# Altium PCB Board.PcbDoc
Units mil, origin at the board's own origin, x right, y up, seen from the top; angles counter-clockwise.
Board outline 2289.49 x 1187.13 mil, 2 copper layers (Top Layer, Bottom Layer); 45 components, 36 nets, 248 pads, 94 vias.
Unrouted connection lines stored in the file: 27.
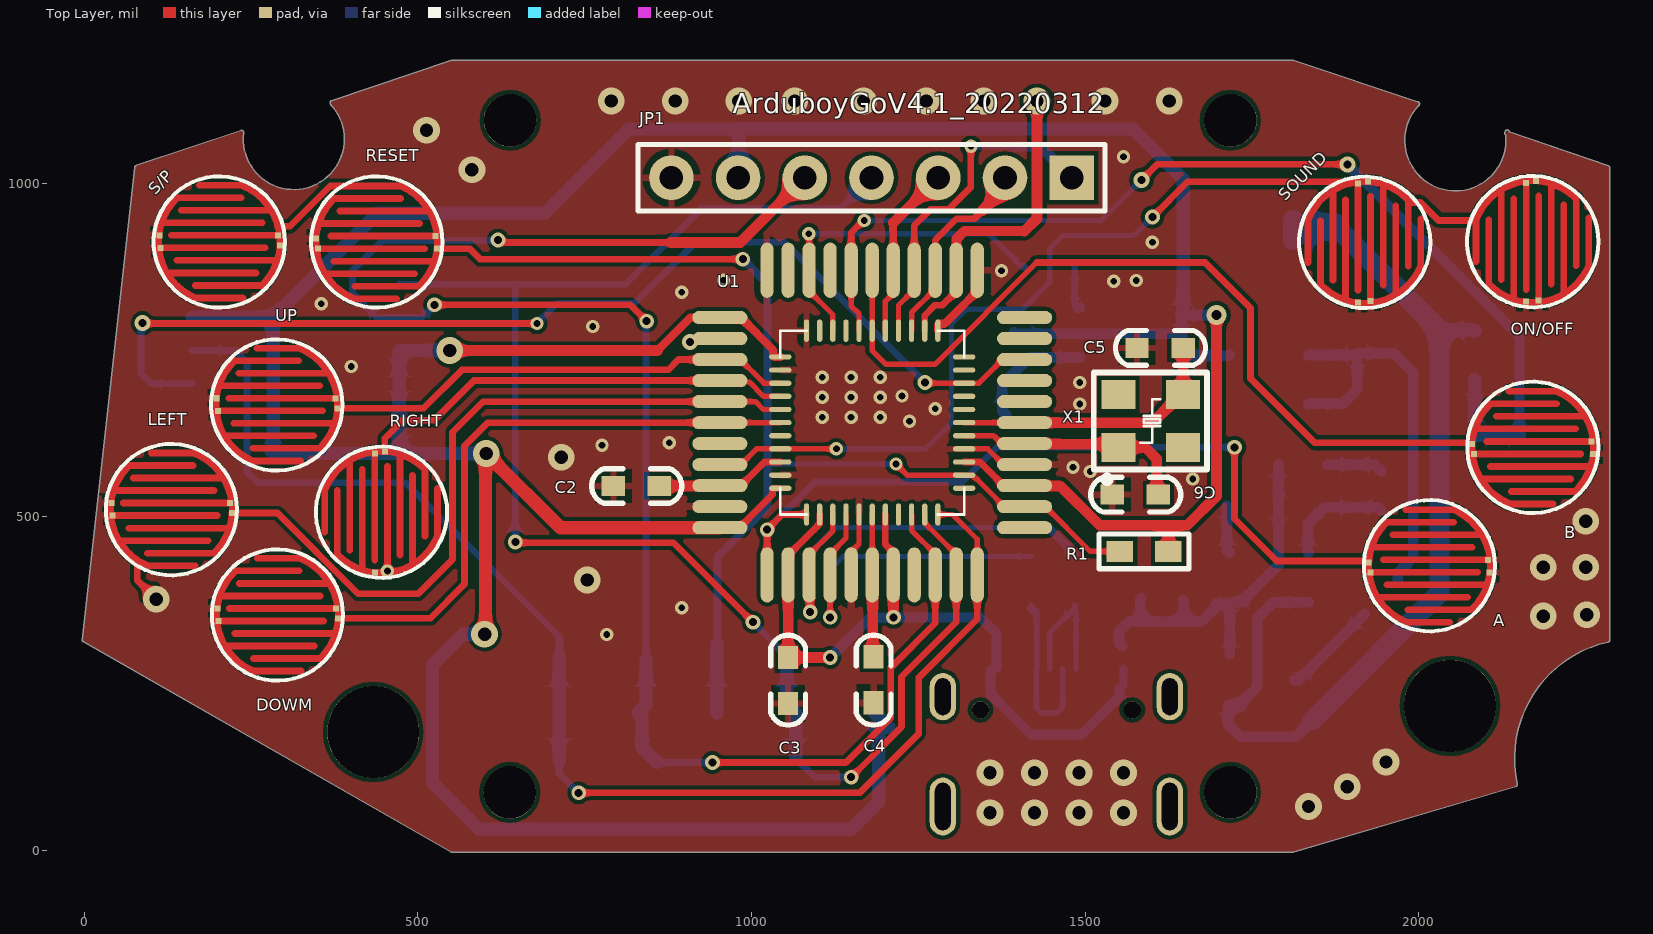
[diagram p0: Top Layer view]
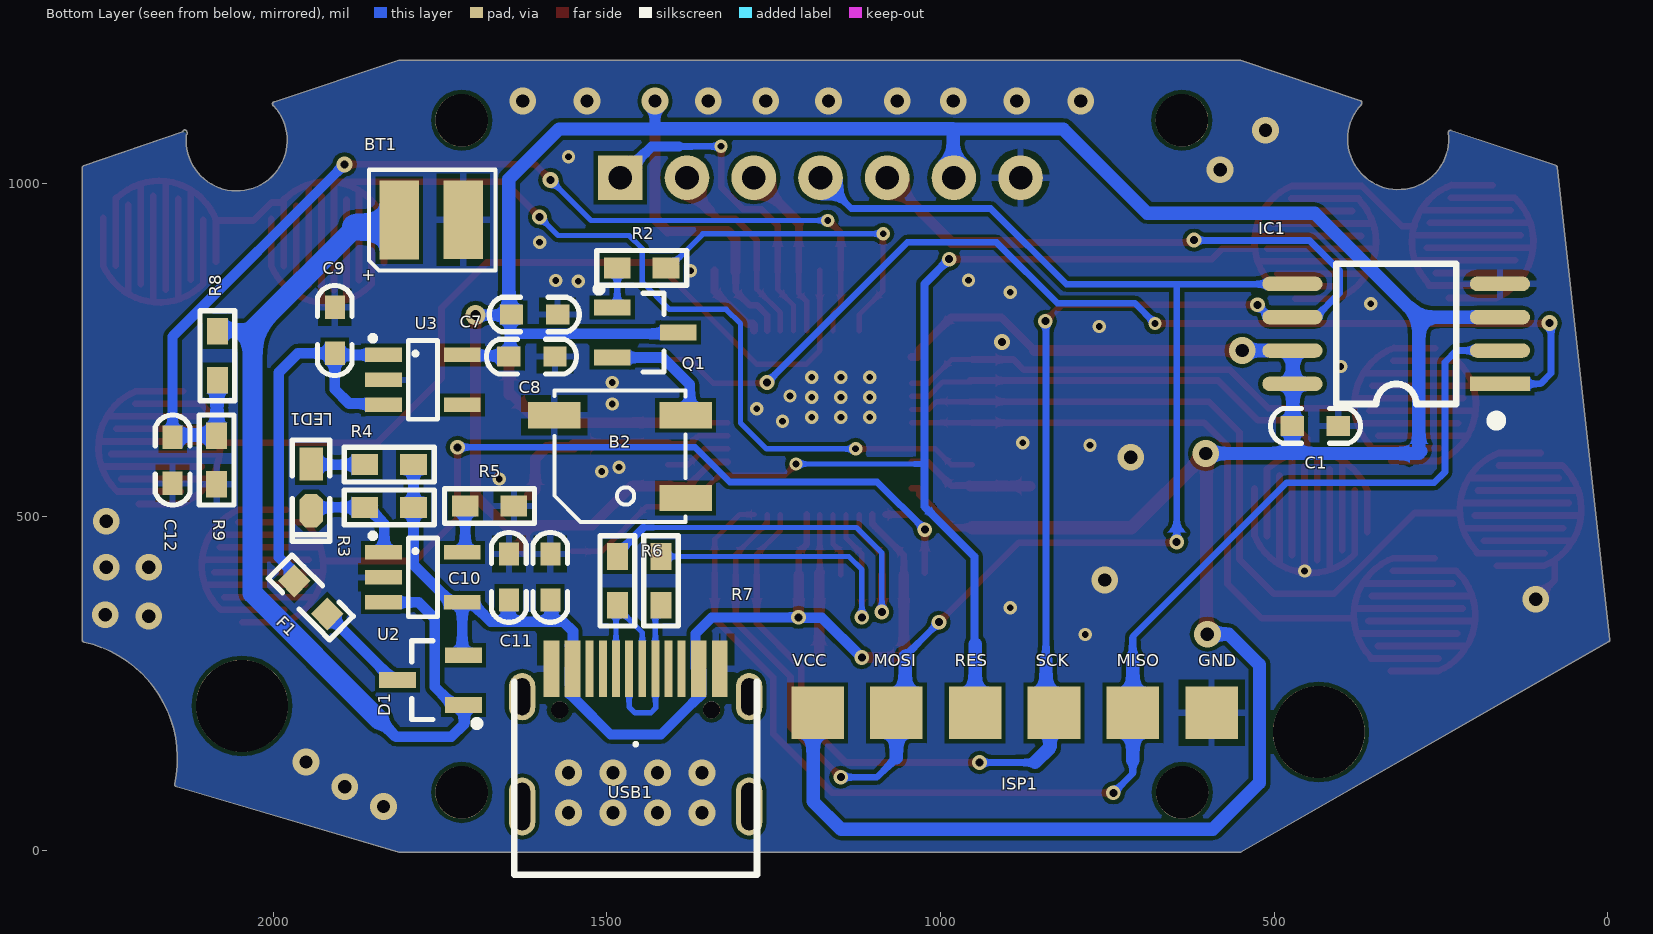
[diagram p1: Bottom Layer view, seen from below]

## Layer stack, top to bottom
Top Solder: solder mask 0.4, Solder Resist, Dk 3.5
Top Layer: signal copper 1.4
Dielectric 1: dielectric 12.6, FR-4, Dk 4.8
Bottom Layer: signal copper 1.4
Bottom Solder: solder mask 0.4, Solder Resist, Dk 3.5

## Board outline
-1.5,312.34 cw(c0,314.96) -3,315.29 75.74,1023.95 cw(c78.74,1023.62) 77.79,1026.48 234.78,1078.81 cw(c235.73,1075.95) 238.64,1076.73 cw(c235.85,1075.6) 238.86,1075.6 cw(c235.85,1075.6) 238.84,1075.24 ccw(c314,1066) 389.73,1066 ccw(c314,1066) 369.49,1117.53 cw(c371.7,1119.58) 368.72,1119.15 cw(c371.36,1120.61) 370.39,1123.46 550.21,1183.96 cw(c551.18,1181.1) 550.23,1183.96 550.22,1183.96 cw(c551.18,1181.1) 551.18,1184.12 1811.02,1184.12 cw(c1811.02,1181.1) 1811.99,1183.96 1998.02,1121.7 cw(c1998.37,1118.71) 2001.38,1118.71 cw(c1998.37,1118.71) 2001.18,1117.61 cw(c1998.28,1118.44) 1999.79,1115.83 ccw(c2055,1064) 2130.73,1064 ccw(c2055,1064) 2130.25,1072.47 cw(c2132.1,1074.85) 2129.7,1076.68 cw(c2132.72,1076.65) 2135.69,1077.13 cw(c2055,1064) 2135.75,1076.79 2284.43,1025.85 2284.44,1025.84 2284.43,1025.85 cw(c2283.46,1022.99) 2286.48,1022.99 2286.48,314.96 cw(c2283.46,314.96) 2284.09,312.01 cw(c2322.5,137.46) 2284.11,312.02 2284.09,312.01 ccw(c2322.5,137.46) 2147.94,99.1 ccw(c2322.5,137.46) 2147.94,99.07 2147.94,99.1 cw(c2145,98.43) 2148.01,98.43 cw(c2145,98.43) 2145.85,95.53 1811.89,-2.89 1811.88,-2.89 1811.89,-2.89 cw(c1811.02,0) 1811.02,-3.01 551.18,-3.01 cw(c551.18,0) 549.69,-2.62

## Design rules (kind name [scope] priority, off if disabled: settings)
Clearance [All] p1: gap=6 ignorepadtopadclearanceinfootprint=FALSE
ComponentClearance [All] p1: gap=0 collisioncheckmode=3 verticalgap=0 showdistances=FALSE
DiffPairsRouting [All] p1: maxlimit=10 minlimit=6 mostfreqgap=10 toplayer_minwidth=6 toplayer_maxwidth=30 toplayer_prefwidth=15 bottomlayer_minwidth=6 bottomlayer_maxwidth=30 bottomlayer_prefwidth=15 maxuncoupledlength=500
HoleSize [All] p1: absolutevalues=TRUE maxlimit=500 minlimit=1 maxpercent=80.000 minpercent=20.000
HoleToHoleClearance [All] p1: gap=2 allowstackedmicrovias=TRUE
MinimumSolderMaskSliver [All] p1: minsoldermaskwidth=2
NetAntennae [All] p1: netantennaetolerance=10
PlaneClearance [All] p1: clearance=6
PlaneConnect [All] p1: pad.planeconnectstyle=Relief pad.reliefexpansion=20 pad.reliefentries=4 pad.reliefconductorwidth=10 pad.reliefairgap=10 via.planeconnectstyle=Direct via.reliefexpansion=20 via.reliefentries=4 via.reliefconductorwidth=10 via.reliefairgap=10
PolygonConnect [All] p1: thpad.connectstyle=Relief thpad.reliefconductorwidth=10 thpad.reliefentries=4 thpad.polygonreliefangle="90 Angle" thpad.airgapwidth=10 smdpad.connectstyle=Relief smdpad.reliefconductorwidth=10 smdpad.reliefentries=4 smdpad.polygonreliefangle="90 Angle" smdpad.airgapwidth=10 via.connectstyle=Direct via.reliefconductorwidth=10 via.reliefentries=4 via.polygonreliefangle="90 Angle" via.airgapwidth=10
RoutingVias [All] p1: holewidth=12 width=22 viastyle="Through Hole" minholewidth=6 minwidth=20 maxholewidth=500 maxwidth=500
SilkToSilkClearance [All] p1: silktosilkclearance=0
SilkToSolderMaskClearance [IsPad] p1: minsilkscreentomaskgap=0 clearancetoexposedcopper=TRUE
SolderMaskExpansion [All] p1: expansion=4 istentingtop=FALSE
Width [All] p1: maxlimit=50 minlimit=6 preferedwidth=6
20 further rules are at their usual default settings.

## Components (designator, comment, footprint, x,y, rotation, side; value= is the part's Value field where it differs from the comment)
A "6x6" "TOUCH KEY 2" 2016.24,426.52 r180 top
B "6x6" "TOUCH KEY 2" 2171.2,603.94 r180 top
B2 "DC5V" "BEEP-SMD 5x5x2" 1382.15,689 r0 bottom
BT1 "Battery" "Li-Bettery SMD" 1754.36,945 r90 bottom
C1 "0.1uF" "C 0603" 438,636 r180 bottom
C2 "0.1uF" "C 0603" 828,546 r0 top
C3 "1uF" "C 0603" 1055.02,255 r90 top
C4 "1uF" "C 0603" 1183,255 r270 top
C5 "22pf" "C 0603" 1613,753 r0 top
C6 "22pf" "C 0603" 1576,533 r0 top
C7 "2.2uF" "C 0603" 1609,803 r0 bottom
C8 "0.1uF" "C 0603" 1613,740 r0 bottom
C9 "1uF" "C 0603" 1908,779 r270 bottom
C10 "10uF" "C 0603" 1647,409 r270 bottom
C11 "0.1uF" "C 0603" 1585,409 r270 bottom
C12 "0.1uF" "C 0603" 2151,584.96 r90 bottom
D1 "BAT54C" SOT23-3M 1715.06,255 r90 bottom
DOWM "6x6" "TOUCH KEY 2" 289.5,352.5 r0 top
F1 "MSMD200-8V 2A" "FU 0603" 1944,379 r45 bottom
IC1 "W25Qxx" SOP8W_N 317,774 r0 bottom
ISP1 "HDR-1X6" IPS 889,206 r180 bottom
JP1 "HDR-1X7" HDR-1X7 1480,1008 r180 top
LED1 "" "LED 0603B" 1943.74,544 r270 bottom
LEFT "6x6" "TOUCH KEY 2" 130.5,510.5 r0 top
ON/OFF "6x6" "TOUCH KEY 2" 2171.13,912.19 r90 top locked
Q1 "SS8050" SOT23-3M 1492,776 r270 bottom
R1 "10K" "R 0603" 1588.42,448 r0 top
R2 "3.3K" "R 0603" 1448,873 r0 bottom
R3 "10K" "R 0603" 1826.5,514 r0 bottom
R4 "3.3K" "R 0603" 1826.5,578 r180 bottom
R5 "1.5K" "R 0603" 1676,516 r180 bottom
R6 "22" "R 0603" 1484.5,403.75 r270 bottom
R7 "22" "R 0603" 1419,403.75 r270 bottom
R8 "100K" "R 0603" 2084,741.2 r270 bottom
R9 "100K" "R 0603" 2085,585 r270 bottom
RESET "6x6" "TOUCH KEY 2" 438.37,911.74 r180 top
RIGHT "6x6" "TOUCH KEY 2" 445.5,506.65 r90 top locked
S/P "6x6" "TOUCH KEY 2" 202.37,911.74 r0 top locked
SOUND "6x6" "TOUCH KEY 2" 1919.13,911.19 r90 top locked
U1 "Atmega32U4-Line-5v" LQFP-QFN 1181,641 r0 top
U2 "LTC4054" SOT23-5M 1776,409 r270 bottom
U3 "SPX3819" SOT23-5M 1776,705 r270 bottom
UP "6x6" "TOUCH KEY 2" 288.5,667.5 r0 top
USB1 "Type-C" "TYPE C 16P" 1457,159 r90 bottom locked
X1 "8M" XTAL-3225 1553,605.91 r90 top

## Footprints (in the part's own frame and the unit in brackets; to place one, negate y for a bottom-side part, rotate by r counter-clockwise, add the part's x,y. Pads: shape width x height; smd on the part's side, far side on the other; paste and mask are expansions set on the pad)
"BEEP-SMD 5x5x2" [mm] "贴片式蜂鸣器"
  rect 2x1 smd: 1(0,0.94) 2(5,0.94) 3(0,4.089)
  silkscreen extent 0,0 5,5
"C 0603" [mil] "无极性贴片电容"
  rect 35x30 smd: 1(-35,0) 2(34,0)
  silkscreen extent -67,-26 67,26, body extent -31,-16 31,16, height 32
"FU 0603" [mil] "贴片保险丝"
  rect 35x35 smd: 1(-35,0) 2(35,0)
  silkscreen extent -65,-25 65,25, body extent -31,-16 31,16, height 20
HDR-1X7 [mm] "排针，8脚"
  rect 1.7x1.7 hole 0.9: 1(0,0)
  round 1.7 hole 0.9: 2(2.54,0) 3(5.08,0) 4(7.62,0) 5(10.16,0) 6(12.7,0) 7(15.24,0)
  silkscreen extent -1.27,-1.27 16.51,1.27, body extent -1.27,-1.27 16.51,1.27, height 8.5
IPS [mm]
  rect 2x2 smd: 1(-7.5,0) 2(-4.5,0) 3(-1.5,0) 4(1.5,0) 5(4.5,0) 6(7.5,0)
"LED 0603B" [mil] "蓝色0603LED"
  rect 50x35 smd: 1(-35,0.26)
  oct 50x35 smd: 2(35,0.26)
  silkscreen extent -71,-28 81,28, body extent -31,-16 31,16, height 24
"Li-Bettery SMD" [mm] "锂电池焊接部分"
  rect 3x1.5 smd: 1(-0.013,1.448) 2(0,-0.991)
  silkscreen extent -1.93,-2.21 1.91,2.59
LQFP-QFN [mm] "Pin2Pin"
  oval 0.5x2.1 smd: 1(-4,-5.8) 2(-3.2,-5.8) 3(-2.4,-5.8) 4(-1.6,-5.8) 5(-0.8,-5.8) 6(0,-5.8) 7(0.8,-5.8) 8(1.6,-5.8) 9(2.4,-5.8) 10(3.2,-5.8) 11(4,-5.8) 23(4,5.8) 24(3.2,5.8) 25(2.4,5.8) 26(1.6,5.8) 27(0.8,5.8) 28(0,5.8) 29(-0.8,5.8) 30(-1.6,5.8) 31(-2.4,5.8) 32(-3.2,5.8) 33(-4,5.8)
  oval 0.2x0.85 smd: 1(-2.5,-3.5) 2(-2,-3.5) 3(-1.5,-3.5) 4(-1,-3.5) 5(-0.5,-3.5) 6(0,-3.5) 7(0.5,-3.5) 8(1,-3.5) 9(1.5,-3.5) 10(2,-3.5) 11(2.5,-3.5) 23(2.5,3.5) 24(2,3.5) 25(1.5,3.5) 26(1,3.5) 27(0.5,3.5) 28(0,3.5) 29(-0.5,3.5) 30(-1,3.5) 31(-1.5,3.5) 32(-2,3.5) 33(-2.5,3.5)
  oval 0.85x0.2 smd: 12(3.5,-2.5) 13(3.5,-2) 14(3.5,-1.5) 15(3.5,-1) 16(3.5,-0.5) 17(3.5,0) 18(3.5,0.5) 19(3.5,1) 20(3.5,1.5) 21(3.5,2) 22(3.5,2.5) 34(-3.5,2.5) 35(-3.5,2) 36(-3.5,1.5) 37(-3.5,1) 38(-3.5,0.5) 39(-3.5,0) 40(-3.5,-0.5) 41(-3.5,-1) 42(-3.5,-1.5) 43(-3.5,-2) 44(-3.5,-2.5)
  oval 2.1x0.5 smd: 12(5.8,-4) 13(5.8,-3.2) 14(5.8,-2.4) 15(5.8,-1.6) 16(5.8,-0.8) 17(5.8,0) 18(5.8,0.8) 19(5.8,1.6) 20(5.8,2.4) 21(5.8,3.2) 22(5.8,4) 34(-5.8,4) 35(-5.8,3.2) 36(-5.8,2.4) 37(-5.8,1.6) 38(-5.8,0.8) 39(-5.8,0) 40(-5.8,-0.8) 41(-5.8,-1.6) 42(-5.8,-2.4) 43(-5.8,-3.2) 44(-5.8,-4)
  silkscreen extent -3.5,-3.5 3.5,3.5
"R 0603" [mil] "1/10W贴片电阻"
  rect 40x31.5 smd: 1(-36.5,0) 2(36.5,0)
  silkscreen extent -68,-26 68,26, body extent -31,-16 31,16, height 16
SOP8W_N [mm] "5.3*8.3*1.8mm（长宽高）"
  rect 2.3x0.55 smd: 1(-3.95,1.905)
  oval 2.3x0.55 smd: 2(-3.95,0.635) 3(-3.95,-0.635) 4(-3.95,-1.905) 5(3.95,-1.905) 6(3.95,-0.635) 7(3.95,0.635) 8(3.95,1.905)
  silkscreen extent -3.94,-2.67 2.29,3.43, body extent -3.94,-2.64 3.94,2.64, height 1.9
SOT23-3M [mm] "3x1.3x1mm(长宽高)"
  rect 0.6x1.4 smd: 1(-0.95,0) 2(0.95,0) 3(0,2.514)
  silkscreen extent -1.78,-0.63 1.5,1.97, body extent -1.5,0.07 1.5,2.47, height 1.05
SOT23-5M [mm] "3x1.6x1.1mm(长宽高)"
  rect 0.55x1.4 smd: 1(-0.95,-1.5) 2(0,-1.5) 3(0.95,-1.5) 4(0.95,1.5) 5(-0.95,1.5)
  silkscreen extent -1.66,-1.98 1.5,0.56, body extent -1.5,-1.4 1.5,1.4, height 1.15
"TOUCH KEY 2" [mil] "橡胶按键导电板"
  rect 9x9 smd mask+4: 1(88,9.92) 1(91,-5) 2(-90,10) 2(-88,-8.85)
  Top Layer lines w10: 88,9.92 -72,9.92 ; 84,-27.62 -64,-27.62 ; 76,47.46 -57,47.46 ; 69,-8.85 -88,-8.85 ; 65.41,-65.17 -36,-65.17 ; 65.41,-63.4 ccw(c0,0) 31.77,85.37 ; 64,28.69 -85,28.69 ; 55,-46.39 -76,-46.39 ; 35.61,-83.94 -35.39,-83.94 cw(c0,0) -63.91,64.91 -62.59,66.23 32.5,66.23 ; 31.77,85 -30.15,85
  silkscreen extent -98,-98 98,98
"TYPE C 16P" [mm]
  oval 2.2x1 hole 0.6 slot 1.8 at 0 deg: 0(-2.373,-4.32) 0(-2.373,4.32)
  oval 1.8x1 hole 0.6 slot 1.4 at 0 deg: 0(1.807,-4.32) 0(1.807,4.32)
  rect 2.15x0.3 smd: A1(2.873,3.35) A4(2.873,2.55) A5(2.873,1.25) A6(2.873,0.249) A7(2.873,-0.25) A8(2.873,-1.25) A9(2.873,-2.55) A12(2.873,-3.35) B1(2.873,-3.051) B4(2.873,-2.25) B5(2.873,-1.75) B6(2.873,-0.749) B7(2.873,0.749) B8(2.873,1.75) B9(2.873,2.25) B12(2.873,3.051)
  round 0.65 hole 0.65 unplated: ""(1.307,-2.89) ""(1.307,2.89)
  silkscreen extent -4.97,-4.62 2.37,4.62, body extent -4.97,-4.62 2.37,4.62, height 3.16
XTAL-3225 [mil]
  rect 43.31x51.18 smd: 1(-2,3) 2(-2,-94) 3(77,-94) 4(77,3)
  silkscreen extent -55,-130 110,40, body extent -13,-108 85,18, height 31

## Part data
A B DOWM LEFT ON/OFF RESET RIGHT S/P SOUND UP: library part "SW SMD-2", "Arduboy 用"
B2: library part BEEP, "蜂鸣器", BOM名称=蜂鸣器, 学习资源=https://lmdzstyle.taobao.com/, 版权归属=黎明电子style
BT1: "锂电池"
C1 C2 C3 C4 C5 C6 C7 C8 C9 C10 C11 C12: library part C, "无极性贴片电容", BOM名称=无极性贴片电容, 学习资源=https://lmdzstyle.taobao.com/, 版权归属=黎明电子style
  C4 C9: BOM名称=贴片电阻
D1: "双肖基特二极管", BOM名称=无极性贴片电容, 学习资源=https://lmdzstyle.taobao.com/, 版权归属=黎明电子style
F1: library part FU, "贴片保险丝", BOM名称=贴片保险丝, 学习资源=https://lmdzstyle.taobao.com/, 版权归属=黎明电子style
IC1: "外置Flash", BOM名称=外置Flash, 学习资源=https://lmdzstyle.taobao.com/, 版权归属=黎明电子style
ISP1: library part "Header 6", "6P接插件", BOM名称=6P接插件, 学习资源=https://lmdzstyle.taobao.com/, 版权归属=黎明电子style
JP1: library part "Header 7", "7P接插件", BOM名称=7P接插件, 学习资源=https://lmdzstyle.taobao.com/, 版权归属=黎明电子style
LED1: library part LED-SMD, "贴片LED", BOM名称=贴片LED, 学习资源=https://lmdzstyle.taobao.com/, 版权归属=黎明电子style
Q1: library part 8050-SMD, "高频放大-NPN型", BOM名称=高频放大-NPN型, 学习资源=https://lmdzstyle.taobao.com/, 属性="40V 1.5A 1W 100MHZ", 版权归属=黎明电子style
R1 R2 R3 R4 R5 R6 R7 R8 R9: library part R, "贴片电阻", BOM名称=贴片电阻, 学习资源=https://lmdzstyle.taobao.com/, 版权归属=黎明电子style
  R3 R6: BOM名称=无极性贴片电容
U2: "充电管理"
U3: "3.3V LDO 稳压"
USB1: library part "Type-C Socket", "USB 3.1  单排16PIN四脚插板(L=7.35) 一体式MD", ComponentLink1Description="USB 3.1 C TYPE单排16PIN四脚插板(L=7.35) 一体式MD", ComponentLink1URL=https://item.szlcsc.com/293008.html
X1: library part XTAL-4, "4脚晶振", BOM名称=4脚晶振, 学习资源=https://lmdzstyle.taobao.com/, 版权归属=黎明电子style

## Free pads (board coordinates)
  round 137.8 hole 137.8: 3(433.07,177.17) 3(2047.24,216.54)
  round 78.74 hole 78.74: 3(637.8,86.61) 3(638.19,1094) 3(1717.87,86.61) 3(1717.87,1094)

## Via types
v1: diameter 20, hole 10, Top Layer to Bottom Layer, tented both sides, 38 vias
v2: diameter 40, hole 20, Top Layer to Bottom Layer, tented both sides, 34 vias
v3: diameter 22, hole 12, Top Layer to Bottom Layer, tented both sides, 17 vias
v4: diameter 24, hole 12, Top Layer to Bottom Layer, tented both sides, 4 vias
v5: diameter 30, hole 15, Top Layer to Bottom Layer, tented both sides, 1 vias

## Nets (pads, with @x,y where several pads share a name; then routed paths per layer and width w, separated by ;. In a path a pad name is that pad's centre, name@x,y a point inside that pad or via, vN(x,y) a via of type N, cw(c..) or ccw(c..) an arc to the next point about the centre after c; other vN are vias at no path point)
3.3V: C1.1 C7.2 C8.2 IC1.3 IC1.7 IC1.8 ISP1.1 JP1.6 Q1.3 R1.2 U1.14 U1.24 U1.34 U1.44 U3.5 | length 6837.3
  Top Layer w10: U1.44@952.65,483.52 982.13,483.52 1031.65,533.05 1031.65,541.51 1032.72,542.57 U1.44@1043.2,542.57 ; U1.24@1259.74,778.8 1259.74,801.72 1275.03,817.01 1286.14,817.01 1306.98,837.85 U1.24@1306.98,869.35 ; U1.14@1318.8,581.94 1342.42,581.94 1377.85,546.51 U1.14@1409.35,546.51
  Top Layer w12: 859.19,749 908.66,798.48 U1.34@956,798.48 ; U1.34@952.65,798.48 984.15,798.48 1032.47,750.16 1032.47,741.49 1034.54,739.43 U1.34@1043.2,739.43
  Top Layer w15: U1.24@1306.98,867 1306.98,915.98 1319,928 1409,928
  Top Layer w16: v2(548,749) 859.19,749 ; U1.14@1406,546.51 1406.7,545.81 1463.19,545.81 1522,487 1624.92,487 ; 1409,928 1428,947 v2@1428,1118 ; R1.2 1624.92,487 ; v5(1697,802) 1697,531 1653,487 1624.92,487
  Top Layer w20: v2(600,324) 601.32,325.32 601.32,593.32 v2(602.64,594.64) ; v2@608,589.28 713.76,483.52 U1.44@952.65,483.52
  Bottom Layer w16: Q1.3 1395.02,774 1643,774 1645,772 ; 1428,1081 v2@1428,1118 ; C7.2 C7.2@1645,801 ; v5(1697,802) 1646,802 C7.2@1645,801 ; U3.5 1715.74,741.2 1648.2,741.2 C8.2 1645,742 1645,772 ; 1645,772 C7.2@1645,801
  Bottom Layer w20: IC1.3 283,799 ; C1.1@468,636 C1.1@469,635 ; C1.1@471,636 C1.1@472,637 ; C1.1@472,638 472,748.49 IC1.7 v2(548,749) ; C1.1 473,594.64 ; v2(600,324) 568,324 522,278 522,101 591.76,31.24 1149.24,31.24 1191,73 1191,177.42 1184.15,184.28 1206,184.28 ISP1.1 ; v2(602.64,594.64) 473,594.64 ; JP1.6 981,1009 981,1072 ; C7.2@1647,807 1647,1006 1572,1081 1428,1081 1427.54,1081.46 981.46,1081.46 981,1081 816,1081 690,955 439,955 283,799 ; 283,799 283,601 280,598 283.36,594.64 473,594.64
  other v2: 1428,1123
BEEP: R2.1 U1.31 | length 512.1
  Top Layer w8: v1@1086.27,924 1086.27,869.59 1086.51,869.35 1086.51,838.32 1121.88,802.95 1121.88,778.86 U1.31@1121.94,778.8
  Bottom Layer w8: v1(1086.02,924) 1356.25,924 1407.25,873 R2.1 R2.1@1407.57,876.93
GND: A.2 B2.2 B.2 BT1.2 C1.2 C2.1 C3.1 C4.2 C5.1 C6.1 C7.1 C8.1 C9.1 C10.1 C11.1 C12.1 DOWM.2 IC1.4 ISP1.6 JP1.7 LEFT.2 ON/OFF.2 R5.2 R9.2 RESET.1 RIGHT.2 S/P.2 SOUND.2 U1.5 U1.15 U1.23 U1.33 U1.35 U1.43 U2.2 U3.2 UP.2 USB1.A1 USB1.A12 USB1.B1 USB1.B12 | length 386.7
  Top Layer w8: U1.5@1149.5,412.65 1149.5,447.31 1161.32,459.12 U1.5@1161.32,503.2 ; U1.15@1318.8,601.63 1354.23,601.63 1377.85,578.01 U1.15@1409.35,578.01
  Top Layer w10: 79.17,435.25 79.17,405.17 v2(108,376.34)
  Top Layer w12: U1.23@1279.43,778.8 1279.43,787.46 1281.49,789.53 1290.16,789.53 1300.64,800.01 1338.48,837.85 U1.23@1338.48,869.35
  other v1: 783.33,323.32 895.65,363.37 454.36,418.65 1661.27,556.49 1507.86,567.7 1482,574.17 776,607 877,611 1236.82,643.05 1106,649 1149.33,649 1193,649 1275.26,661.84 1491.86,669 1106,679 1149.33,679 1193,679 1225.72,680.92 1491.86,701 1106,709 1149.33,709 1193,709 400,725 762,785 355.37,819 895.52,836.21 1543,853 958.05,854.19 1577,854 1374.69,868.67 1601,911.19 1557.67,1039.69
  other v2: 1357.67,56 1424.33,56 1491,56 1557.67,56 1835,65.59 1893,95 1357.67,116 1424.33,116 1491,116 1557.67,116 1951,132.38 2187,351 2252,353 754,405 2187,424 2250.41,424 2250.41,493.36 715,589 581,1020 513,1079 790,1123 886,1123 981,1123 1065,1123 1168,1123 1262,1123 1348,1123 1530,1123 1626,1123
  other v4: 908,761.63
KEY_A: A.1 U1.1 | length 1219.3
  Top Layer w10: U1.1@1023.52,416 v3(1023.52,480.52) 1046.2,503.2 U1.1@1082.57,503.2 ; v3(1724.01,604.01) 1724.01,496.99 1787.33,433.67 A.1@1925.42,433.67
  Bottom Layer w10: v3(1023.52,480.52) 1095,552 1316,552 1368.01,604.01 v3(1724.01,604.01)
KEY_B: B.1 U1.28 | length 1265.3
  Top Layer w8: U1.28@1181,869.35 1181,778.8 1181,749.09 1201.77,728.31 1274.86,728.31 1427.55,881
  Top Layer w10: 1427.55,881 1680,881 1748,813 1748,707 1844,611 B.1@2080.24,611
KEY_DOWM: DOWM.1 U1.39 | length 905.4
  Top Layer w8: U1.39@952.65,641 U1.39@1043.2,641
  Top Layer w10: DOWM.1@380.5,347.5 518.5,347.5 570,399 570,605.84 605.16,641 U1.39@952.65,641
KEY_LEFT: LEFT.1 U1.38 | length 1111.1
  Top Layer w8: U1.38@952.65,672.5 1005.99,672.5 1017.74,660.75 1043.14,660.75 U1.38@1043.2,660.69
  Top Layer w10: LEFT.1@221.5,505.5 289.5,505.5 410.73,384.27 500.27,384.27 552,436 552,626.5 597.99,672.5 U1.38@956,672.5
KEY_RIGHT: RIGHT.1 U1.37 | length 661.5
  Top Layer w8: U1.37@952.65,703.99 954.86,701.79 996.83,701.79 1018.18,680.43 1043.14,680.43 U1.37@1043.2,680.37
  Top Layer w10: RIGHT.1@450.5,597.65 450.5,617.5 477.75,644.75 524.75,644.75 583.99,703.99 U1.37@956,703.99
KEY_S/P: ON/OFF.1 SOUND.1 U1.41 | length 1365.2
  Top Layer w8: U1.41@952.65,578.01 984.15,578.01 1007.77,601.63 1043.2,601.63 v1(1127.35,601.63)
  Top Layer w10: v3(1601,949.19) 1654,1002.19 1915,1002.19 ; SOUND.1@1923.25,1002.19 SOUND.1@1924.13,1002.19 ; 1987.7,970.96 2002.87,970.96 2029.88,943.96 2085.75,943.96 2086.13,943.96
  Bottom Layer w8: v1(1127.35,601.63) 1260.93,601.63 1299.9,640.6 1299.9,789.25 1321.42,810.77 1406.48,810.77 1447.15,851.44 1447.15,901.91 1466.8,921.56 1573.37,921.56 v3(1601,949.19)
KEY_UP: U1.36 UP.1 | length 708.6
  Top Layer w8: U1.36@952.65,735.49 983.16,735.49 1018.53,700.12 1043.14,700.12 U1.36@1043.2,700.06
  Top Layer w10: UP.1@379.5,662.5 508.5,662.5 565.99,719.99 875.36,719.99 890.85,735.49 U1.36@952.65,735.49
LI_BATTY: C12.2 R8.2 R9.1 U1.29 | length 1600.6
  Top Layer w8: U1.29@1149.5,869.35 1149.5,816.01 1161.25,804.26 1161.25,778.86 U1.29@1161.32,778.8
  Top Layer w10: U1.29@1149.5,869.35 1149.5,925.69 1167.82,944 v1(1169.23,944) ; v4(1584.5,1004.5) 1608,1028 v4(1893.29,1028)
  Bottom Layer w8: v1(1169.23,944) 1524,944 v4(1584.5,1004.5)
  Bottom Layer w15: v4(1893.29,1028) 2151,770.29 C12.2@2151,623
  Bottom Layer w20: R8.2@2083.5,705.2 R8.2 2084.5,704.2 2084.5,622 R9.1 2085.75,622.25 2150.25,622.25 C12.2@2151,623
MISO: IC1.2 ISP1.5 U1.11 | length 2022.5
  Top Layer w8: U1.11@1279.43,503.2 1301.4,503.2 1338.48,466.12 U1.11@1338.48,412.65
  Top Layer w10: v3(741,86) 1162,86 1251,175 1251,259 1338.48,346.48 U1.11@1338.48,416
  Bottom Layer w10: IC1.2 226.45,749 244,731.46 244,567 260,551 481,551 711.83,320.17 711.83,290.37 ; 711.83,134.8 711.83,115.17 v3(741,86)
  Bottom Layer w20: 711.83,134.8 ISP1.5 711.83,290.37
MOSI: IC1.5 ISP1.2 JP1.4 U1.10 | length 2372.2
  Top Layer w8: U1.10@1259.74,503.2 1259.74,490.38 1306.98,443.14 U1.10@1306.98,412.65
  Top Layer w10: v3@646,461 882.98,461 v3@1002,341.98 ; v3(1149.5,109.5) 1225,185 1225,260 1306.98,341.98 U1.10@1306.98,412.65
  Bottom Layer w10: IC1.5@470.74,847.24 IC1.5 473.01,848.51 647,848.51 ; v3(646,462) 646,847.51 647,848.51 ; v3@1002,341.98 1053,290.98 ; 1066.17,138.83 1095.5,109.5 v3(1149.5,109.5) ; JP1.4 1133.84,961.84 924.92,961.84 811.59,848.51 647,848.51
  Bottom Layer w20: 1053,290.98 1053,219.17 ISP1.2 1066.17,138.83
  other v3: 1002.45,341.85
NetB2_1: B2.1 Q1.2 | length 181.4
  Bottom Layer w16: B2.1 1376,658.15 1376,698 1416.6,738.6 Q1.2
NetBT1_1: BT1.1 D1.1 R8.1 U2.3 | length 1476.7
  Bottom Layer w16: D1.1 D1.1@1728.19,217.59 ; U2.3 1782.6,371.6 1758.31,347.31 1758.31,245.1 1730.8,217.59 D1.1@1728.19,217.59 ; 1841,195 1816,170 1733.37,170 1714,189.37 1714,213.78 1732,213.78 D1.1@1728.19,217.59
  Bottom Layer w20: 2031,780 2081.7,780 R8.1 R8.1@2085,778.7
  Bottom Layer w30: BT1.1 1811.36,914.97 BT1.1@1830.39,934 ; 1841,195 2031,385 2031,780 1877,934
  Bottom Layer w40: BT1.1@1830.39,934 1877,934
NetC2_2: C2.2 U1.42 | length 195.7
  Top Layer w10: U1.42@952.65,546.51 984.15,546.51 1019.58,581.94 U1.42@1043.2,581.94
  Top Layer w16: C2.2@865.81,545.81 955.3,545.81 U1.42@956,546.51
NetC4_1: C4.1 U1.6 | length 217.4
  Top Layer w8: U1.6@1181,412.65 1181,416 U1.6@1181,503.2
  Top Layer w16: U1.6@1181,416 1181.7,415.3 1181.7,291.3 C4.1
NetC5_2: C5.2 U1.17 X1.3 | length 419.9
  Top Layer w8: U1.17@1318.8,641 U1.17@1409.35,641
  Top Layer w16: U1.17@1406,641 1601.06,641 1645.06,685 X1.3@1647,685 ; X1.3 X1.3@1647,685 ; C5.2 X1.3@1647,685
NetC6_2: C6.2 U1.16 X1.1 | length 362.8
  Top Layer w8: U1.16@1318.8,621.31 1362.88,621.31 1374.69,609.5 U1.16@1409.35,609.5
  Top Layer w16: U1.16@1409.35,608.8 1549.2,608.8 X1.1@1552,606 ; X1.1 1590.09,603.91 1607.41,586.59 1607.41,540 1615.41,532 C6.2@1616.5,532
NetC9_2: C9.2 F1.2 U3.1 U3.3 | length 626.1
  Bottom Layer w16: U3.3 1837.07,669.61 1886.61,669.61 1908,691 C9.2@1908,742.5 ; U3.1 1905.4,742.4 C9.2 1963,745 1992,716 1992,439.19 1968.75,415.94 F1.2
NetD1_3: D1.3 F1.1 | length 146.3
  Bottom Layer w16: D1.3 1820,255 F1.1
NetLED1_1: LED1.1 R4.1 | length 85.2
  Bottom Layer w16: R4.1 1934.24,578 1943.74,568.5 LED1.1@1943.74,568
NetLED1_2: LED1.2 R3.2 U2.1 | length 165.1
  Bottom Layer w16: U2.1 1834,447.46 1834,489.25 1858.75,514 R3.2 1938.48,514 LED1.2
NetQ1_1: Q1.1 R2.2 | length 64.3
  Bottom Layer w10: R2.2 1484.5,818.21 Q1.1@1489.31,813.4
  Bottom Layer w16: Q1.1@1489.31,813.4 Q1.1
NetR5_1: R5.1 U2.5 | length 72.4
  Bottom Layer w16: R5.1 1712.5,449.23 1715.33,446.4 U2.5
NetR6_2: R6.2 USB1.A7 USB1.B7 | length 201.9
  Bottom Layer w8: USB1.A7 1447.15,326.42 1471.98,351.25 1472.75,351.25 1484.5,363 R6.2 ; R6.2@1484.5,362.06 1486.5,360.06 USB1.B7
NetR7_2: R7.2 USB1.A6 USB1.B6 | length 273
  Bottom Layer w8: R7.2 1427.5,358.75 USB1.B6 1427.13,271.72 1427.13,213.27 1434.4,206 1457.8,206 1466.8,215 USB1.A6
  Bottom Layer w12: R7.2@1419,362.06 R7.2@1427.41,353.65
OLED_CS: JP1.1 U1.26 | length 512.7
  Top Layer w8: U1.26@1220.37,778.8 1220.43,778.86 1220.43,816.96 1243.99,840.51 U1.26@1243.99,869.35
  Top Layer w10: U1.26@1243.99,867 1243.99,936.22 1268.4,960.63 1295.51,960.63 1328.94,994.06 1328.94,1054.94 v1(1329,1055) ; JP1.1 JP1.1@1482,1010
  Bottom Layer w10: v1(1329,1055) 1392,1055
  Bottom Layer w15: 1392,1055 1433,1055 JP1.1
OLED_D/C: JP1.2 U1.25 | length 302.8
  Top Layer w8: U1.25@1240.06,778.8 1240.12,778.86 1240.12,805.9 1269.83,835.61 1270.09,835.61 1275.49,841.01 U1.25@1275.49,869.35
  Top Layer w10: U1.25@1275.49,869.35 1275.49,914.49 1307.5,946.5 1333.9,946.5 1346.4,959 ; JP1.2@1380,992.6 JP1.2
  Top Layer w16: 1346.4,959 JP1.2@1380,992.6
OLED_RES: JP1.3 U1.27 | length 264.4
  Top Layer w8: U1.27@1200.69,778.8 1200.69,822.88 1212.5,834.69 U1.27@1212.5,869.35
  Top Layer w10: U1.27@1212.5,867 1212.5,940.5
  Top Layer w16: 1212.5,940.5 JP1.3
RESET: ISP1.3 R1.1 RESET.2 S/P.1 U1.13 | length 1911.8
  Top Layer w8: v1(1216.62,579) 1233.36,562.26 1318.8,562.26 1318.86,562.2 1331.68,562.2 1378.86,515.02 1409.35,515.02 1440.84,515.02 1507.86,448 R1.1
  Top Layer w10: 289.37,935.31 308.31,935.31 368.68,995.68 402.76,995.68 ; RESET.2@528.37,901.74 577.5,901.74 593.24,886 985.46,886 986.23,886.77 v3(987,886)
  Bottom Layer w8: 1024.05,579 v1(1216.62,579)
  Bottom Layer w12: 949,310 949,439.97 1024.05,515.02 1024.05,579 1024.05,848.95 v3(987,886)
  Bottom Layer w20: ISP1.3 948.06,309.06
RX: IC1.1 U1.20 | length 1634
  Top Layer w8: v3(1260.1,701) 1260.98,700.12 1318.73,700.12 1318.8,700.06 1318.86,700.12 1340.81,700.12 1376.18,735.49 U1.20@1409.35,735.49
  Top Layer w10: v4(87,790) 87.48,789.52 v1(678.48,789.52)
  Bottom Layer w10: v4(87,790) 85,788 85,715 101,699 IC1.1 ; v1(678.48,789.52) 708.96,820 825.04,820 916.23,911.2 1049.9,911.2 v3(1260.1,701)
SCK: IC1.6 ISP1.4 JP1.5 U1.9 | length 2652.1
  Top Layer w8: U1.9@1240.06,503.2 1240.06,479.58 1275.49,444.15 U1.9@1275.49,412.65
  Top Layer w10: v3(525,817.49) 818.51,817.49 v3(843,793) ; v3(620,914.59) 623.59,911 879,911 ; v3(941.5,131.5) 1141.56,131.5 1209,198.94 1209,274 1275.49,340.49 U1.9@1275.49,412.65
  Top Layer w16: 879,911 983,911 JP1.5
  Bottom Layer w10: v3@525.08,817.49 v3(525,817.49) 506.51,799 IC1.6 438.06,799 402,835.07 402,869 447,914 619.41,914 v3(620,914.59) v3@620,912.49 ; 842,286 842,792 v3(843,793) ; 858.5,131.5 v3(941.5,131.5)
  Bottom Layer w20: 842,286 842,218.06 ISP1.4 836,199.94 836,154 858.5,131.5
USB_D+: R7.1 U1.4 | length 544.7
  Top Layer w8: v3(1118.01,349.01) 1118.01,412.65 1118.01,444.15 1141.63,467.77 U1.4@1141.63,503.2
  Bottom Layer w8: v3(1118.01,349.01) 1118.01,420.66 1137.59,440.25 R7.1
USB_D-: R6.1 U1.3 | length 682.3
  Top Layer w8: U1.3@1086.51,412.65 1086.51,442.99 1121.94,478.42 U1.3@1121.94,503.2
  Top Layer w12: v3(1087.98,357.02) U1.3@1087.98,412.65
  Bottom Layer w8: v3(1087.98,357.02) 1087.98,445.78 1125.92,483.71 1445.29,483.71
  Bottom Layer w12: 1445.29,483.71 1484.5,444.5 R6.1
VBUS: C3.2 C10.2 C11.2 D1.2 R3.1 R4.2 U1.2 U1.7 U2.4 USB1.A4 USB1.A9 USB1.B4 USB1.B9 | length 1722.9
  Top Layer w10: U1.2@1055.02,412.65 1055.02,442.13 1077.88,464.99 1078.28,464.99 1102.26,488.97 U1.2@1102.26,503.2 ; U1.7@1200.69,503.2 1200.69,458.58 1212.5,446.77 U1.7@1212.5,412.65
  Top Layer w16: U1.2@1055.02,412.65 C3.2 1117.9,289 v3@1118.01,289.11 ; U1.7@1212.75,412.65 1212.75,349.25 v3(1212.87,349.13) v3@1213,349
  Bottom Layer w12: USB1.A4@1552,242 1557.4,247.4 USB1.A4 ; U2.4@1703.15,371.6 U2.4 ; D1.2 D1.2@1716.94,294.29
  Bottom Layer w15: v3@1213,349 1343,349 1367,325 USB1.B4@1367,273.49 ; USB1.A9@1358.19,270.5 1358.19,234.27 1419,173.47 1494.59,173.47 1545.31,224.18 ; 1541.01,219.88 1545.31,224.18 ; USB1.A4@1552,242 1552,230.87 1545.31,224.18 ; C11.2@1583,376 C11.2@1585,378 ; C10.2 C10.2@1648,374
  Bottom Layer w16: v3(1118.03,288.87) 1177.87,348.72 1212.47,348.72 v3(1212.87,349.13) ; USB1.A4@1555.31,306.42 1551,310.72 1551,328.42 1565.31,342.72 1583,342.72 ; C11.2@1583,376 1583,342.72 ; C10.2@1648,374 1648,342.72 ; U2.4@1703.15,371.6 1674.28,342.72 1648,342.72 ; D1.2@1716.94,294.29 U2.4 1733.68,371.6 1790,427.92 R3.1 R4.2 ; 1583,342.72 1648,342.72
pads on no net: B2.3 U1.8 U1.12 U1.18 U1.19 U1.21 U1.22 U1.30 U1.32 U1.40 U3.4 USB1. USB1.0 USB1.A5 USB1.A8 USB1.B5 USB1.B8 X1.2 X1.4

## Polygon pours and split planes (outlines as drawn)
GND on Bottom Layer "Bottom Layer-GND" (solid, pour order 30): -1.5,312.34 cw(c0,314.96) -3,315.29 75.74,1023.95 cw(c78.74,1023.62) 77.79,1026.48 234.78,1078.81 cw(c235.73,1075.95) 238.64,1076.73 cw(c235.85,1075.6) 238.86,1075.6 cw(c235.85,1075.6) 238.84,1075.24 ccw(c314,1066) 389.73,1066 ccw(c314,1066) 369.49,1117.53 cw(c371.7,1119.58) 368.72,1119.15 cw(c371.36,1120.61) 370.39,1123.46 550.21,1183.96 cw(c551.18,1181.1) 550.23,1183.96 550.22,1183.96 cw(c551.18,1181.1) 551.18,1184.12 1811.02,1184.12 cw(c1811.02,1181.1) 1811.99,1183.96 1998.02,1121.7 cw(c1998.37,1118.71) 2001.38,1118.71 cw(c1998.37,1118.71) 2001.18,1117.61 cw(c1998.28,1118.44) 1999.79,1115.83 ccw(c2055,1064) 2130.73,1064 ccw(c2055,1064) 2130.25,1072.47 cw(c2132.1,1074.85) 2129.7,1076.68 cw(c2132.72,1076.65) 2135.69,1077.13 cw(c2055,1064) 2135.75,1076.79 2284.43,1025.85 2284.44,1025.84 2284.43,1025.85 cw(c2283.46,1022.99) 2286.48,1022.99 2286.48,314.96 cw(c2283.46,314.96) 2284.09,312.01 cw(c2322.5,137.46) 2284.11,312.02 2284.09,312.01 ccw(c2322.5,137.46) 2147.94,99.1 ccw(c2322.5,137.46) 2147.94,99.07 2147.94,99.1 cw(c2145,98.43) 2148.01,98.43 cw(c2145,98.43) 2145.85,95.53 1811.89,-2.89 1811.88,-2.89 1811.89,-2.89 cw(c1811.02,0) 1811.02,-3.01 551.18,-3.01 cw(c551.18,0) 549.69,-2.62
GND on Top Layer "SS" (solid, pour order 28): -1.5,312.34 cw(c0,314.96) -3,315.29 75.74,1023.95 cw(c78.74,1023.62) 77.79,1026.48 234.78,1078.81 cw(c235.73,1075.95) 238.64,1076.73 cw(c235.85,1075.6) 238.86,1075.6 cw(c235.85,1075.6) 238.84,1075.24 ccw(c314,1066) 389.73,1066 ccw(c314,1066) 369.49,1117.53 cw(c371.7,1119.58) 368.72,1119.15 cw(c371.36,1120.61) 370.39,1123.46 550.21,1183.96 cw(c551.18,1181.1) 550.23,1183.96 550.22,1183.96 cw(c551.18,1181.1) 551.18,1184.12 1811.02,1184.12 cw(c1811.02,1181.1) 1811.99,1183.96 1998.02,1121.7 cw(c1998.37,1118.71) 2001.38,1118.71 cw(c1998.37,1118.71) 2001.18,1117.61 cw(c1998.28,1118.44) 1999.79,1115.83 ccw(c2055,1064) 2130.73,1064 ccw(c2055,1064) 2130.25,1072.47 cw(c2132.1,1074.85) 2129.7,1076.68 cw(c2132.72,1076.65) 2135.69,1077.13 cw(c2055,1064) 2135.75,1076.79 2284.43,1025.85 2284.44,1025.84 2284.43,1025.85 cw(c2283.46,1022.99) 2286.48,1022.99 2286.48,314.96 cw(c2283.46,314.96) 2284.09,312.01 cw(c2322.5,137.46) 2284.11,312.02 2284.09,312.01 ccw(c2322.5,137.46) 2147.94,99.1 ccw(c2322.5,137.46) 2147.94,99.07 2147.94,99.1 cw(c2145,98.43) 2148.01,98.43 cw(c2145,98.43) 2145.85,95.53 1811.89,-2.89 1811.88,-2.89 1811.89,-2.89 cw(c1811.02,0) 1811.02,-3.01 551.18,-3.01 cw(c551.18,0) 549.69,-2.62

## Silkscreen, mask and mechanical layers (free items; w line width, h text height)
Top Overlay:
  text "ArduboyGoV4.1_20220312" at 972,1105 h30
Mechanical 1:
  circle w6: c638.19,1094.49 r39.37
  circle w6: c1717.87,1094.49 r39.37
  circle w6: c1717.87,86.61 r39.37
  circle w6: c2047.24,216.54 r68.9
  circle w6: c637.8,86.61 r39.37
  circle w6: c433.07,177.17 r68.9
  lines w6: 235.73,1075.95 78.74,1023.62 0,314.96 551.18,0 1811.02,0 2145,98.43 cw(c2322.5,137.46) 2283.46,314.96 2283.46,1022.99 2132.1,1074.85 ; 235.85,1075.6 ccw(c314,1066) 371.7,1119.58 ; 371.36,1120.61 551.18,1181.1 1811.02,1181.1 1998.28,1118.44 ; 1998.37,1118.71 ccw(c2055,1064) 2132.72,1076.65

## Text inside footprints (layer, text, board x,y; h text height)
BT1: Bottom Overlay "+" at 1849.36,851 h18 r270
ISP1: Bottom Overlay "GND" at 614,276 h18; Bottom Overlay "MISO" at 735.6,276 h18; Bottom Overlay "SCK" at 857.2,276 h18; Bottom Overlay "RES" at 978.8,276 h18; Bottom Overlay "MOSI" at 1100.4,276 h18; Bottom Overlay "VCC" at 1222,276 h18